# Altium PCB interface.PcbDoc
Units mm, origin at the board's own origin, x right, y up, seen from the top; angles counter-clockwise.
Board outline 52.5 x 82.5 mm, 4 copper layers (Top Layer, Top Layer pwr, Bottom Layer gnd, Bottom Layer), stack 1.483 mm thick; 110 components, 85 nets, 371 pads, 51 vias.
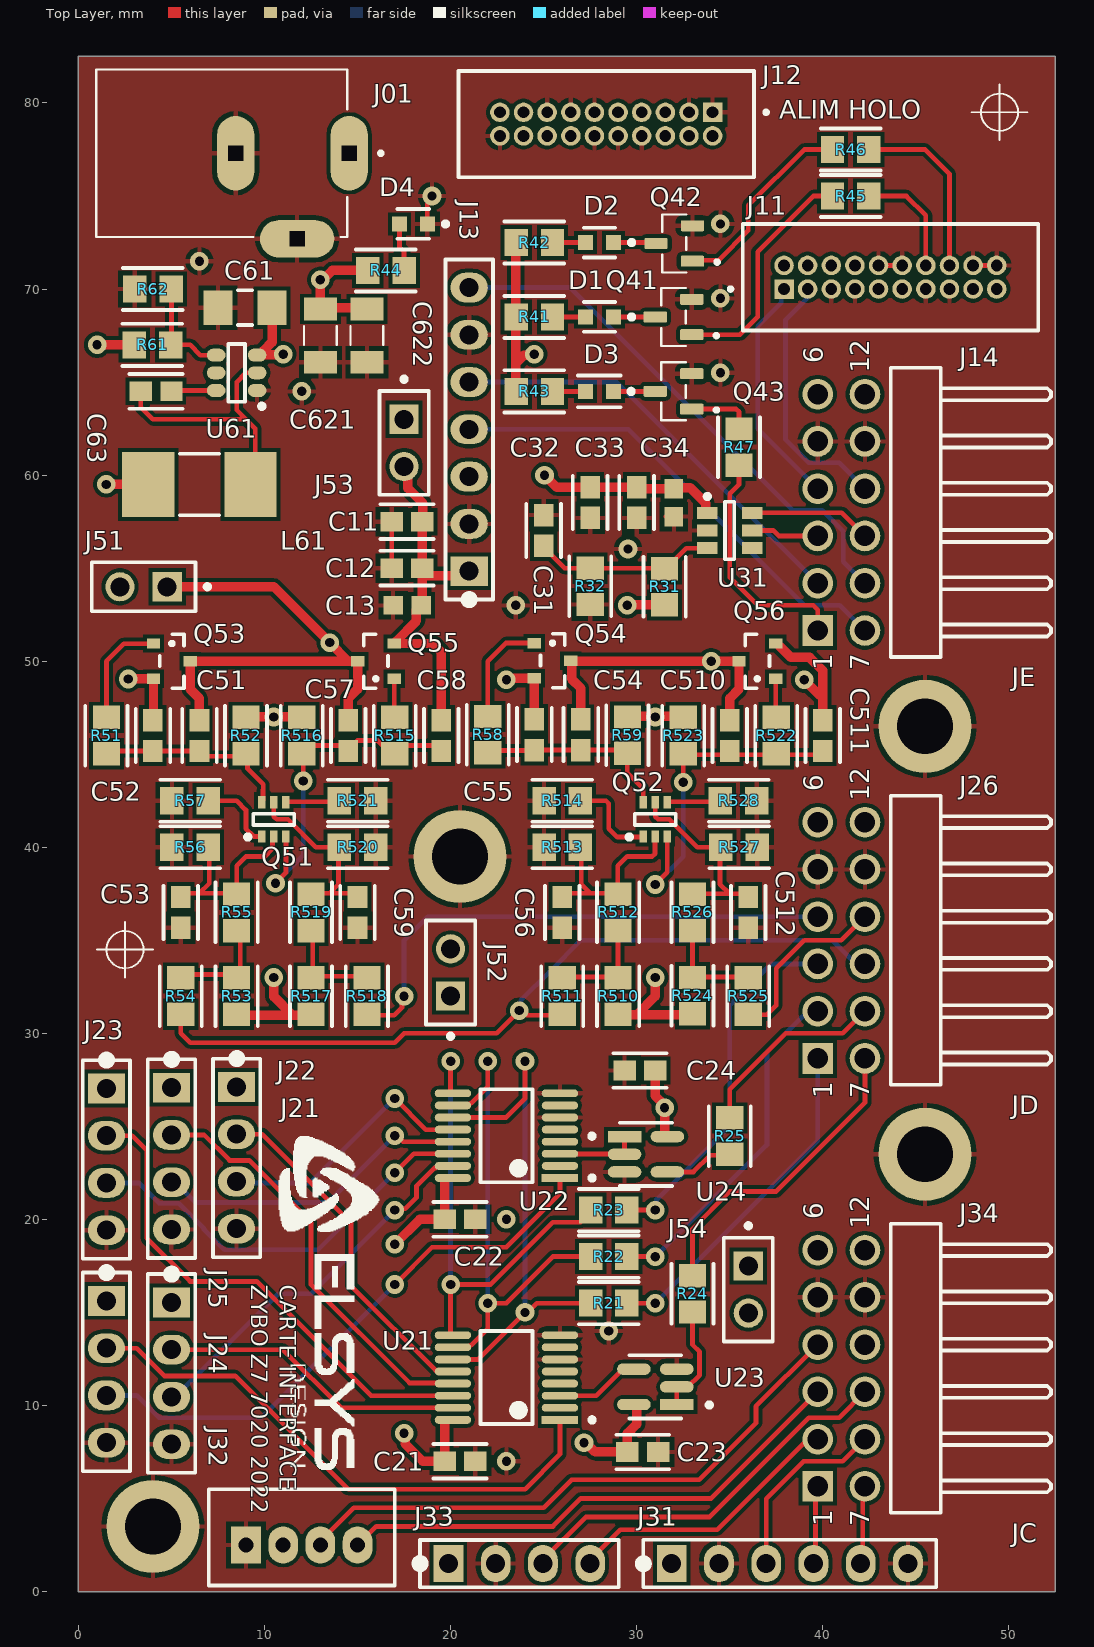
[diagram p0: Top Layer view]
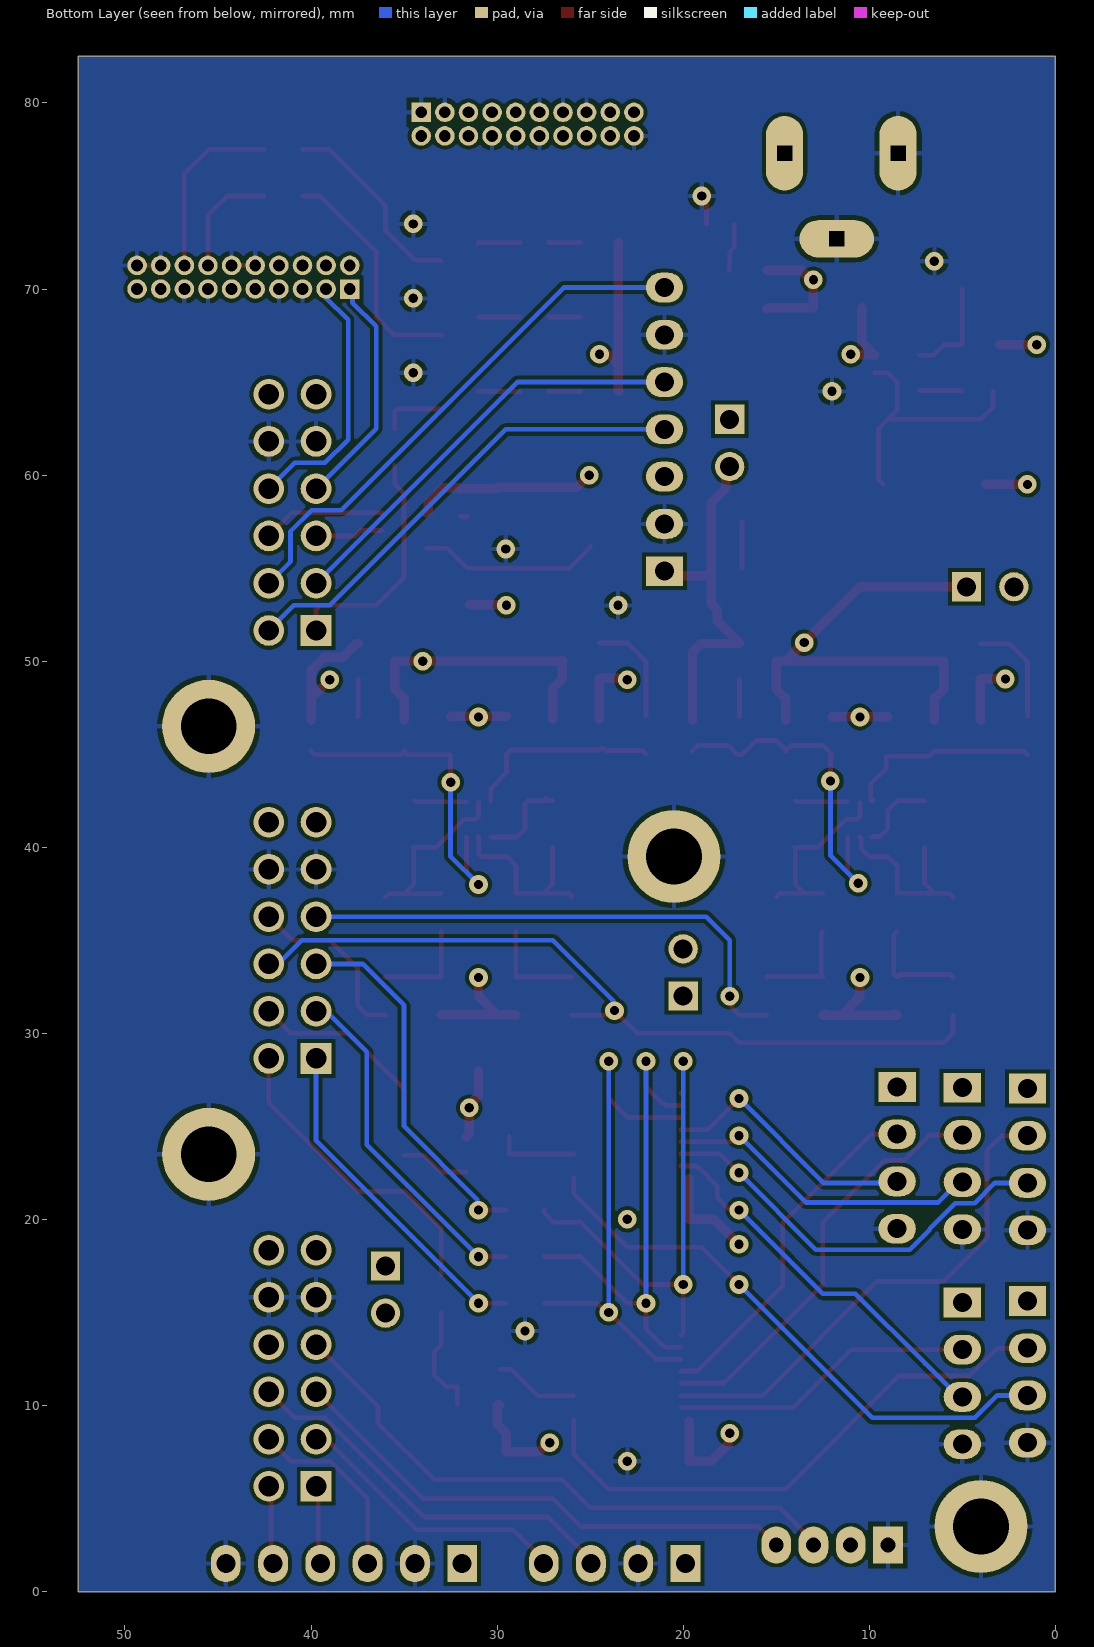
[diagram p1: Bottom Layer view, seen from below]
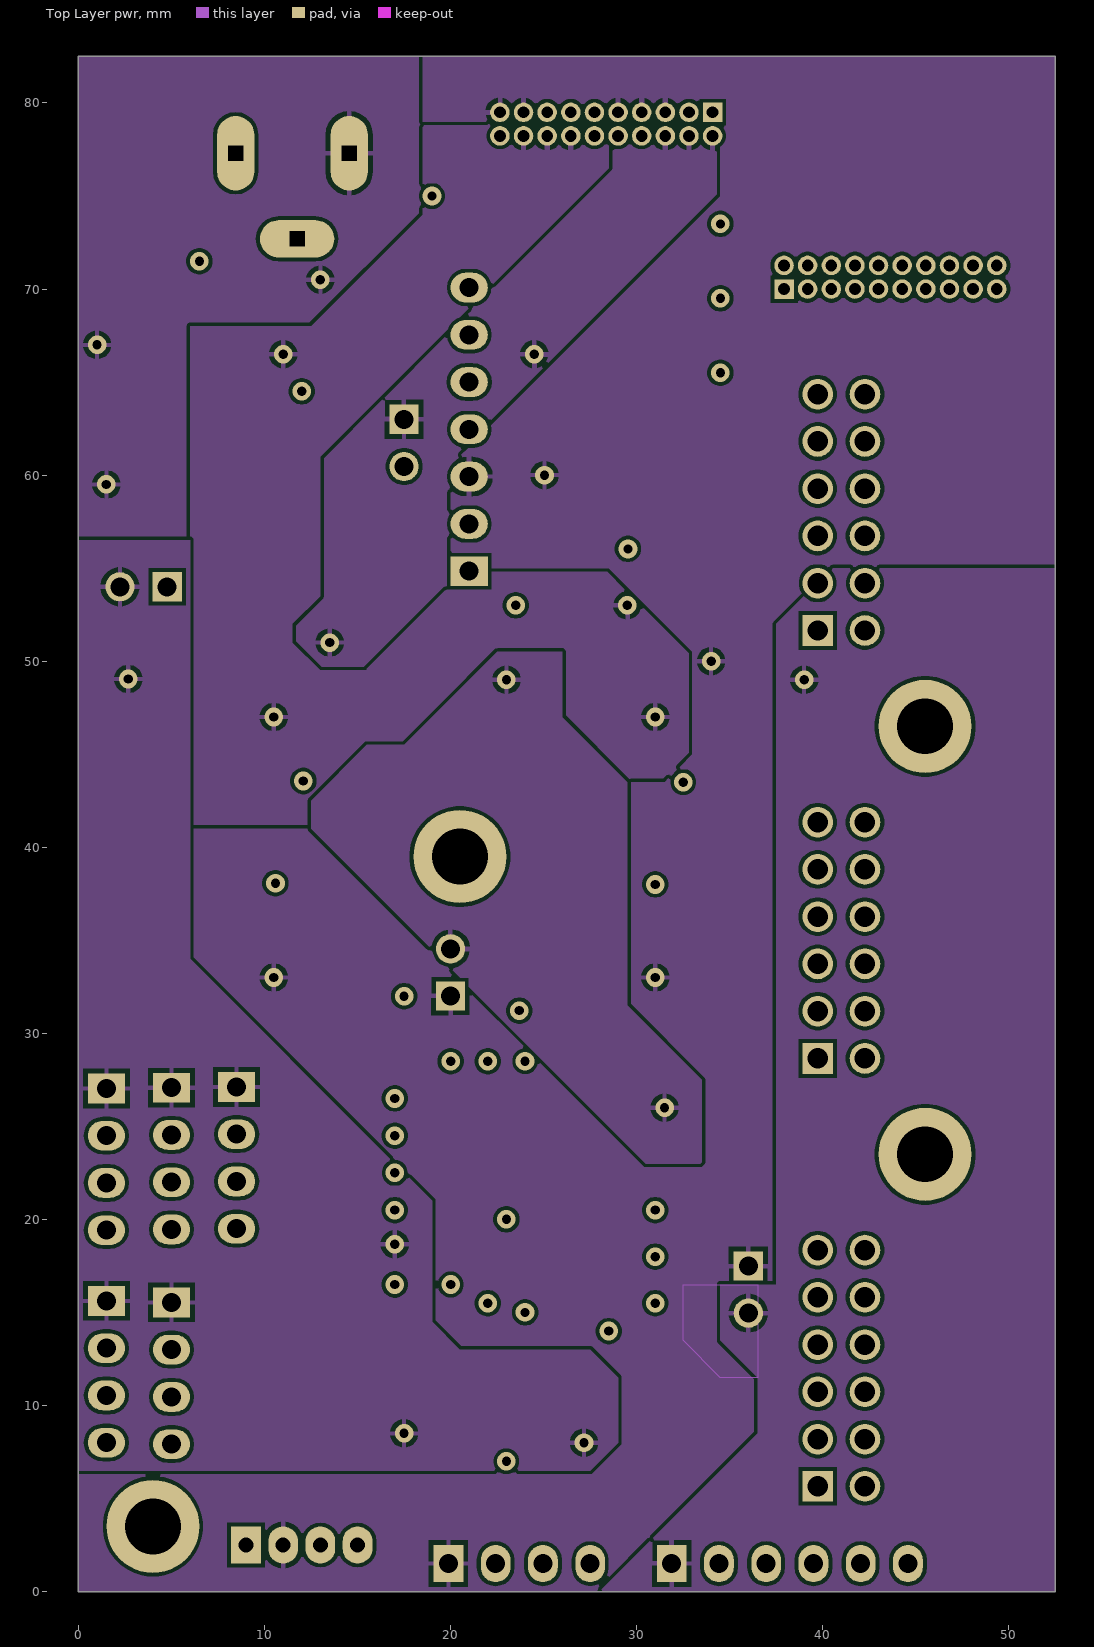
[diagram p2: Top Layer pwr]
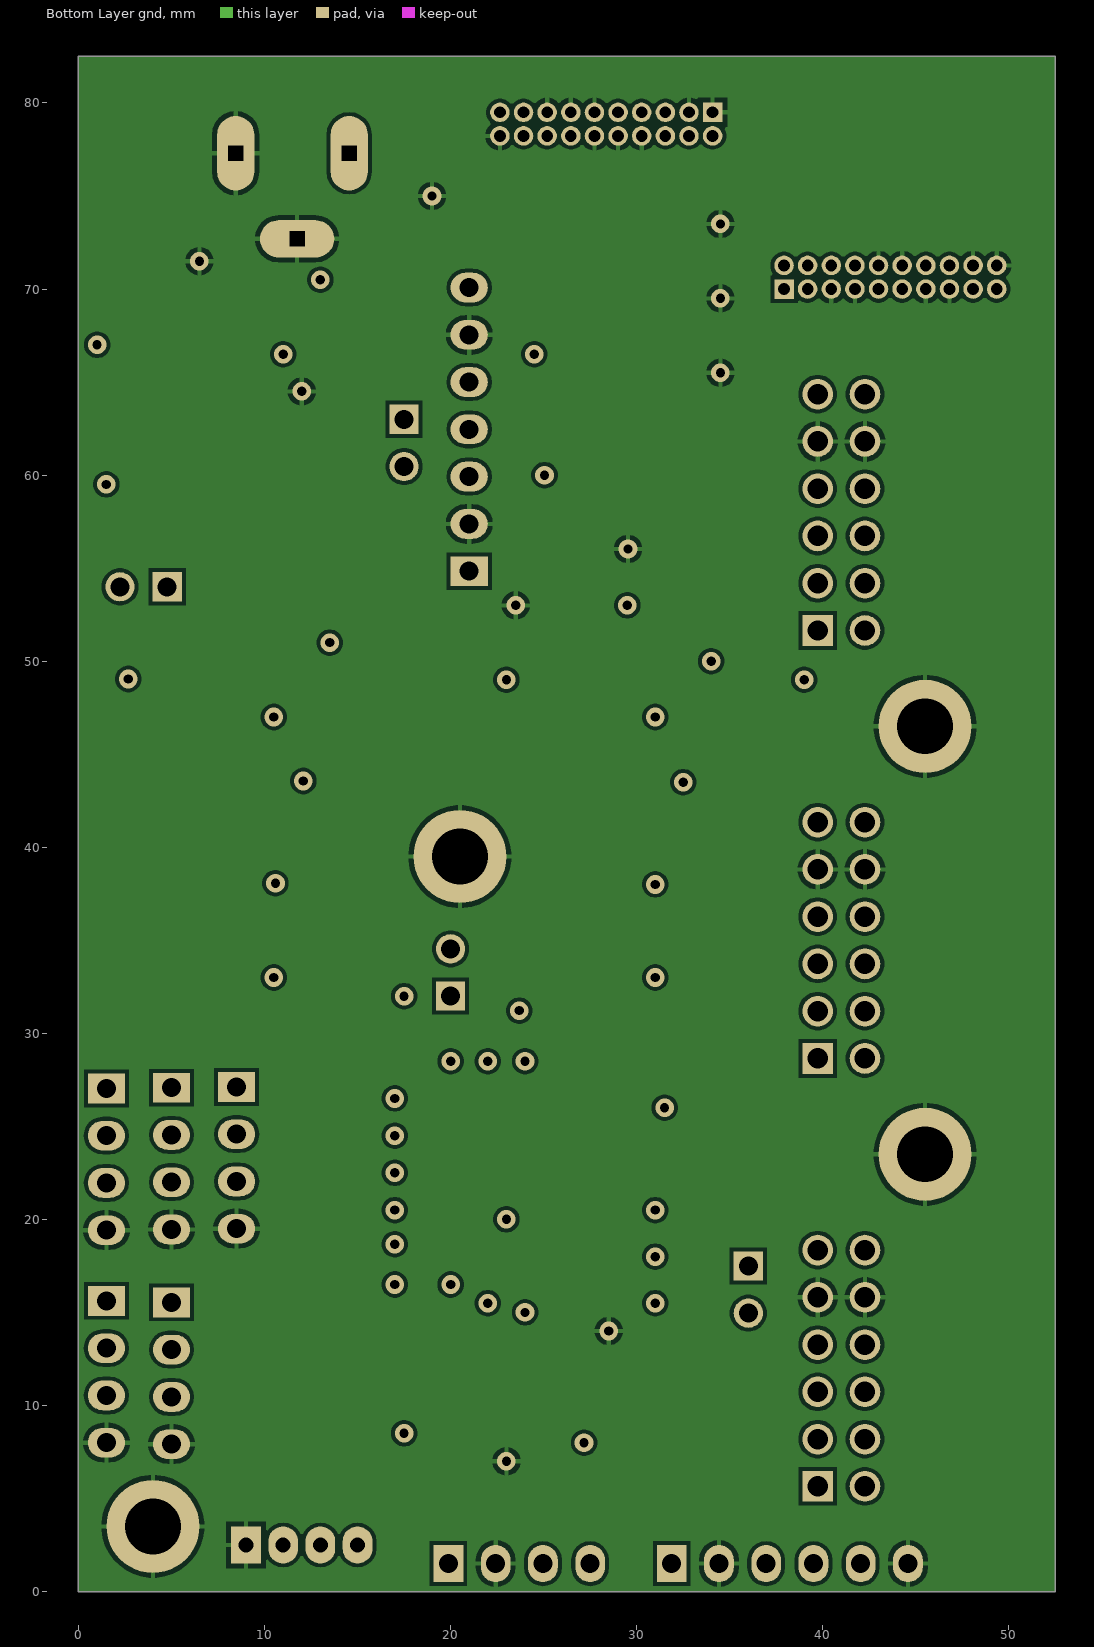
[diagram p3: Bottom Layer gnd]
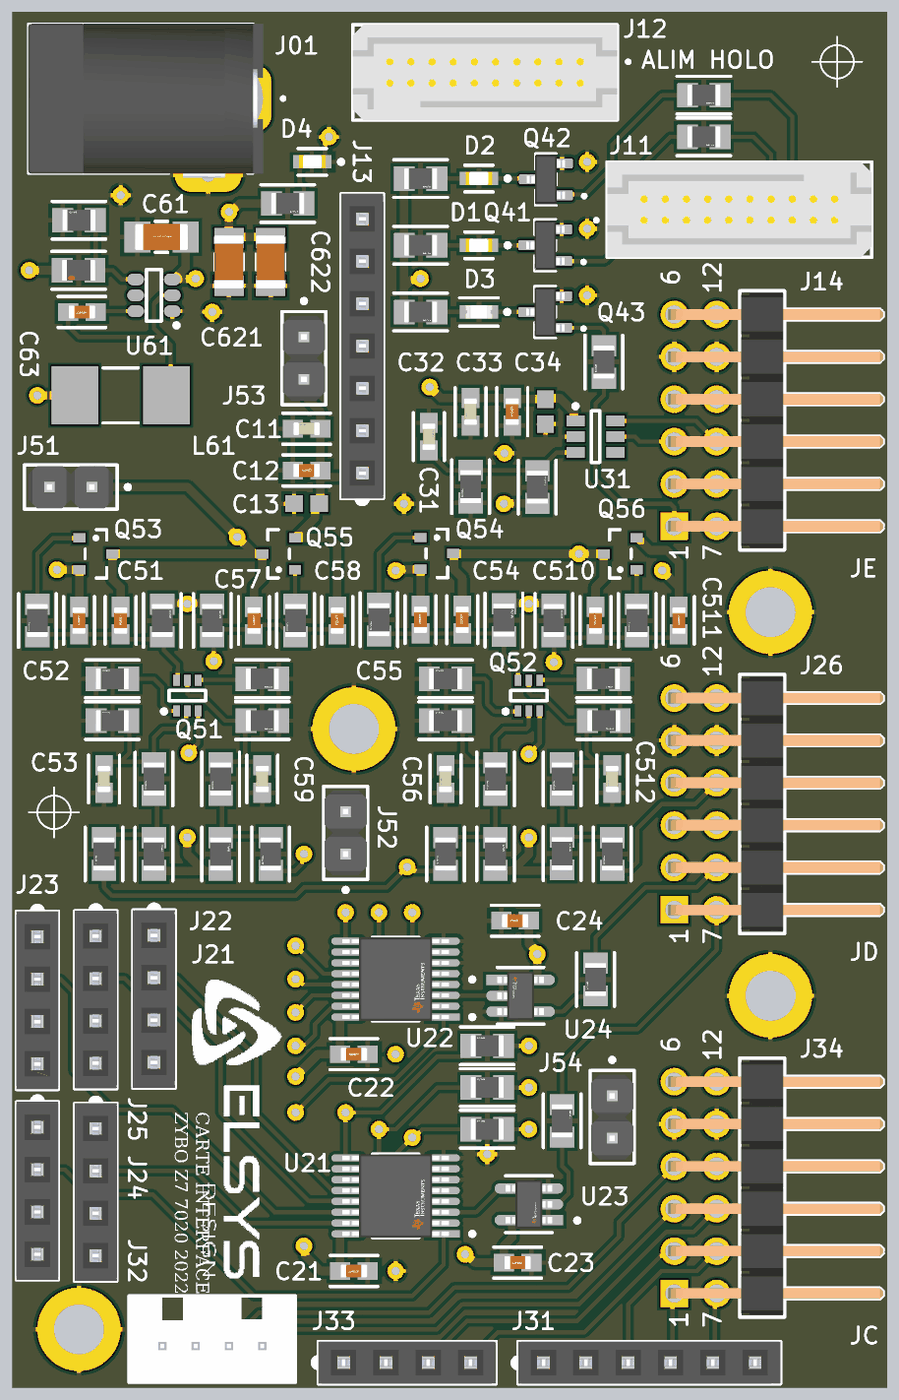
[diagram p4: 3D render of the assembled board from above, using the file's embedded part models]

## Layer stack, top to bottom
Top Solder: solder mask 0.0102, Solder Resist, Dk 3.5
Top Layer: signal copper 0.035
Dielectric 2: prepreg 0.0711, PP-006, Dk 4.29
Top Layer pwr: signal copper 0.0356
Dielectric 1: dielectric 1.2, FR-4, Dk 4.8
Bottom Layer gnd: signal copper 0.0356
Dielectric 3: prepreg 0.0711, PP-006, Dk 4.29
Bottom Layer: signal copper 0.035
Bottom Solder: solder mask 0.0102, Solder Resist, Dk 3.5

## Board outline
0,0 0,82.5 52.5,82.5 52.5,0

## Design rules (kind name [scope] priority, off if disabled: settings)
Clearance [All] p1: gap=0.2 ignorepadtopadclearanceinfootprint=FALSE
HoleSize [All] p1: absolutevalues=TRUE maxlimit=3 minlimit=0.025 maxpercent=80.000 minpercent=20.000
MinimumSolderMaskSliver [All] p1: minsoldermaskwidth=0.008
PolygonConnect [All] p1: connectstyle=Relief reliefconductorwidth=0.254 reliefentries=4 polygonreliefangle="90 Angle" airgapwidth=0.254
RoutingVias [All] p1: holewidth=0.5 width=1 viastyle="Through Hole" minholewidth=0.5 minwidth=1 maxholewidth=0.9 maxwidth=1.25
SilkToSolderMaskClearance [IsPad] p1: minsilkscreentomaskgap=0.008 clearancetoexposedcopper=TRUE
SolderMaskExpansion [All] p1: expansion=0.102 istentingtop=FALSE
Width [All] p1: maxlimit=0.508 minlimit=0.254 preferedwidth=0.254
27 further rules are at their usual default settings.

## Components (designator, comment, footprint, x,y, rotation, side; value= is the part's Value field where it differs from the comment)
C11 "10nF" FP-C0603C-CF-IPC_A 17.66,57.5 r0 top
C12 "100nF" FP-C0603C104K5RAC3121-IPC_A#1 17.66,55 r0 top
C13 "1µF" CAPC1608X90X35NL15T15 17.66,53 r0 top
C21 "100nF" FP-C0603C104K5RAC3121-IPC_A#1 20.5,7 r180 top
C22 "100nF" FP-C0603C104K5RAC3121-IPC_A#1 20.5,20 r180 top
C23 "100nF" FP-C0603C104K5RAC3121-IPC_A#2 31.152,7.5 r180 top
C24 "100nF" FP-C0603C104K5RAC3121-IPC_A#2 29.348,28 r0 top
C31 "C0603C124K5RACTU" FP-C0603C-CF-IPC_A 25,57.025 r270 top
C32 "10nF" FP-C0603C-CF-IPC_A 27.5,58.525 r90 top
C33 "100nF" FP-C0603C104K5RAC3121-IPC_A#1 30,58.525 r90 top
C34 "1µF" CAPC1608X90X35NL15T15 32,58.525 r90 top
C51 "100nF" FP-C0603C104K5RAC3121-IPC_A#1 6.5,46 r90 top
C52 "100nF" FP-C0603C104K5RAC3121-IPC_A#1 4,46 r90 top
C53 "10nF" FP-C0603C-CF-IPC_A 5.5,36.5 r90 top
C54 "100nF" FP-C0603C104K5RAC3121-IPC_A#1 27,46.05 r90 top
C55 "100nF" FP-C0603C104K5RAC3121-IPC_A#1 24.5,46.05 r90 top
C56 "10nF" FP-C0603C-CF-IPC_A 26,36.5 r90 top
C57 "100nF" FP-C0603C104K5RAC3121-IPC_A#1 14.5,46 r90 top
C58 "100nF" FP-C0603C104K5RAC3121-IPC_A#1 19.5,46 r90 top
C59 "10nF" FP-C0603C-CF-IPC_A 15,36.5 r90 top
C61 "10µF" FP-1206-L_3_2_0_15-W_1_6-IPC_A 7.5,69 r0 top
C63 "100nF" FP-C0603C104K5RAC3121-IPC_A#1 4.174,64.5 r180 top
C510 "100nF" FP-C0603C104K5RAC3121-IPC_A#1 35,46 r90 top
C511 "100nF" FP-C0603C104K5RAC3121-IPC_A#1 40,46 r90 top
C512 "10nF" FP-C0603C-CF-IPC_A 36,36.5 r90 top
C621 "22µF" CAPC3216X180N 13,67.5 r90 top
C622 "22µF" CAPC3216X180N 15.5,67.5 r90 top
D1 "LTST-C193TGKT-5A" FP-LTST-C193TGKT-5A 28,68.5 r180 top
D2 "LTST-C193TBKT-5A" FP-LTST-C193TBKT-5A-MFG 28,72.5 r180 top
D3 "LTST-C191KRKT" FP-LTST-C191KRKT 28,64.5 r180 top
D4 "LTST-C193TGKT-5A" FP-LTST-C193TGKT-5A 18,73.5 r180 top
J01 "CON-SOCJ-2155" GRAVITECH_CON-SOCJ-2155 11.5,75 r0 top
J11 "TFM-110-21-S-D" SAMTEC_TFM-110-21-S-D 43.635,70.635 r0 top
J12 "TFM-110-21-S-D" SAMTEC_TFM-110-21-S-D 28.365,78.865 r180 top
J13 "1x7 Header" "HEADER 1X7" 21,54.84 r180 top
J14 "61301221021" 61301221021 45,58 r90 top
J21 "1x4 Header" "HEADER 1X4" 8.5,27.12 r0 top
J22 "1x4 Header" "HEADER 1X4" 5,27.08 r0 top
J23 "1x4 Header" "HEADER 1X4" 1.5,27.04 r0 top
J24 "1x4 Header" "HEADER 1X4" 5,15.54 r0 top
J25 "1x4 Header" "HEADER 1X4" 1.5,15.62 r0 top
J26 "61301221021" 61301221021 45,35 r90 top
J31 "1x6 Header" "HEADER 1X6" 38.23,1.5 r90 top
J32 "1x4 Grove conector" FP-110990030 9,2.5 r90 top
J33 "1x4 Header" "HEADER 1X4" 19.88,1.5 r90 top
J34 "61301221021" 61301221021 45,12 r90 top
J51 "M20-9990246" FP-M20-9990246-MFG 3.5,54 r180 top
J52 "M20-9990246" FP-M20-9990246-MFG 20,33.27 r90 top
J53 "M20-9990246" FP-M20-9990246-MFG 17.5,61.73 r270 top
J54 "M20-9990246" FP-M20-9990246-MFG 36,16.23 r270 top
L61 "3.3µH" INDC7066X20N 6.5,59.5 r180 top
Q41 "NXV55UNR" SOT95P230X110-3N 32.96,67.55 r180 top
Q42 "NXV55UNR" SOT95P230X110-3N 33,71.5 r180 top
Q43 "NXV55UNR" SOT95P230X110-3N 32.96,63.55 r180 top
Q51 "MBT3904DW1T1G" ONSC-SOT-363-6-419B-02_W_V 10.5,41.5 r90 top
Q52 "MBT3904DW1T1G" ONSC-SOT-363-6-419B-02_W_V 31,41.5 r90 top
Q53 "SI2304BDST1E3" FP-SI2304BDST1E3 4.032,50.95 r0 top
Q54 "SI2304BDST1E3" FP-SI2304BDST1E3 24.493,50.975 r0 top
Q55 "SI2304BDST1E3" FP-SI2304BDST1E3 16.968,49.05 r180 top
Q56 "SI2304BDST1E3" FP-SI2304BDST1E3 37.468,49.05 r180 top
R21 "100Ohm" FP-ESR10-IPC_A 28.5,15.5 r0 top
R22 "100Ohm" FP-ESR10-IPC_A 28.5,18 r0 top
R23 "100Ohm" FP-ESR10-IPC_A 28.5,20.5 r0 top
R24 "100Ohm" FP-ESR10-IPC_A 33,16 r270 top
R25 "100Ohm" FP-ESR10-IPC_A 35,24.475 r90 top
R31 "82kOhm" FP-ESR10-IPC_A 31.5,54 r270 top
R32 "20kOhm" FP-ESR10-IPC_A 27.5,54.025 r90 top
R41 "390Ohm" FP-ESR10-IPC_A 24.5,68.5 r180 top
R42 "390Ohm" FP-ESR10-IPC_A 24.5,72.5 r180 top
R43 "620Ohm" FP-ESR10-IPC_A 24.5,64.5 r180 top
R44 "390Ohm" FP-ESR10-IPC_A 16.525,71 r180 top
R45 "100Ohm" FP-ESR10-IPC_A 41.5,75 r180 top
R46 "100Ohm" FP-ESR10-IPC_A 41.5,77.5 r180 top
R47 "100Ohm" FP-ESR10-IPC_A 35.5,61.5 r90 top
R51 "1kOhm" FP-ESR10-IPC_A 1.5,46 r90 top
R52 "10kOhm" FP-ESR10-IPC_A 9,46 r270 top
R53 "100kOhm" FP-ESR10-IPC_A 8.5,32 r270 top
R54 "100Ohm" FP-ESR10-IPC_A 5.5,32 r90 top
R55 "1kOhm" FP-ESR10-IPC_A 8.5,36.5 r90 top
R56 "1kOhm" FP-ESR10-IPC_A 6,40 r0 top
R57 "820Ohm" FP-ESR10-IPC_A 6,42.5 r0 top
R58 "1kOhm" FP-ESR10-IPC_A 22,46.05 r90 top
R59 "10kOhm" FP-ESR10-IPC_A 29.5,46.025 r270 top
R61 "52.3kOhm" FP-KTR10-IPC_A 4.954,67 r180 top
R62 "10kOhm" FP-ESR10-IPC_A 4,70 r0 top
R510 "100kOhm" FP-ESR10-IPC_A 29,32 r270 top
R511 "100Ohm" FP-ESR10-IPC_A 26,32 r90 top
R512 "1kOhm" FP-ESR10-IPC_A 29,36.5 r90 top
R513 "1kOhm" FP-ESR10-IPC_A 26,40 r0 top
R514 "820Ohm" FP-ESR10-IPC_A 26,42.5 r0 top
R515 "1kOhm" FP-ESR10-IPC_A 17,46 r90 top
R516 "10kOhm" FP-ESR10-IPC_A 12,46 r270 top
R517 "100kOhm" FP-ESR10-IPC_A 12.5,32 r270 top
R518 "100Ohm" FP-ESR10-IPC_A 15.5,32 r90 top
R519 "1kOhm" FP-ESR10-IPC_A 12.5,36.5 r90 top
R520 "1kOhm" FP-ESR10-IPC_A 15,40 r180 top
R521 "820Ohm" FP-ESR10-IPC_A 15,42.5 r180 top
R522 "1kOhm" FP-ESR10-IPC_A 37.5,46 r90 top
R523 "10kOhm" FP-ESR10-IPC_A 32.5,46 r270 top
R524 "100kOhm" FP-ESR10-IPC_A 33,32.025 r270 top
R525 "100Ohm" FP-ESR10-IPC_A 36,32 r90 top
R526 "1kOhm" FP-ESR10-IPC_A 33,36.5 r90 top
R527 "1kOhm" FP-ESR10-IPC_A 35.5,40 r180 top
R528 "820Ohm" FP-ESR10-IPC_A 35.475,42.5 r180 top
U21 "TMUX1308PWR" FP-PW0016A-IPC_A 23,11.5 r180 top
U22 "TMUX1308PWR" FP-PW0016A-IPC_A 23,24.5 r180 top
U23 "SN74LV1T02DBVRG4" FP-DBV0005A-IPC_A 31,11 r180 top
U24 "SN74LV1T02DBVRG4" FP-DBV0005A-IPC_A 30.5,23.5 r0 top
U31 "ADC101C027CIMK/NOPB" MK06A_N 35,57.025 r0 top
U61 "AP62301WU-7" TSOP95P280X100-6N 8.5,65.5 r180 top

## Footprints (in the part's own frame and the unit in brackets; to place one, negate y for a bottom-side part, rotate by r counter-clockwise, add the part's x,y. Pads: shape width x height; smd on the part's side, far side on the other; paste and mask are expansions set on the pad)
61301221021 [mm] "Pin Header, pitch 2.54 mm, THT, Angled, dual row, 12p"
  rect 1.65x1.65 hole 1.1: 1(-6.35,5.27)
  round 1.65 hole 1.1: 2(-3.81,5.27) 3(-1.27,5.27) 4(1.27,5.27) 5(3.81,5.27) 6(6.35,5.27) 7(-6.35,2.73) 8(-3.81,2.73) 9(-1.27,2.73) 10(1.27,2.73) 11(3.81,2.73) 12(6.35,2.73)
  silkscreen extent -7.77,-7.27 7.77,1.35, body extent -7.62,-7.27 7.62,5.63, height 5.12
CAPC1608X90X35NL15T15 [mm] "Chip Capacitor, 2-Leads, Body 1.60x0.81mm, IPC Medium Density"
  rect 1.05x1 smd: 1(-0.75,0) 2(0.75,0)
  body extent -0.88,-0.48 0.87,0.48, height 0.9
CAPC3216X180N [mm]
  rect 1.21x1.77 smd: 1(-1.428,0) 2(1.428,0)
  silkscreen extent -0.5,-0.88 0.5,0.88, body extent -1.6,-0.9 1.6,0.9, height 1.61
FP-1206-L_3_2_0_15-W_1_6-IPC_A [mm]
  rect 1.555x1.858 smd paste+0 mask+0: 1(0,0) 2(2.903,0)
  silkscreen extent 1.08,-0.93 1.82,0.93, body extent -1.28,-1.43 4.18,1.43, height 0.25
FP-110990030 [mm]
  rect 2x1.6 hole 0.8: 1(0,0)
  oval 2x1.6 hole 0.8: 2(0,-2) 3(0,-4) 4(0,-6)
  silkscreen extent -2.17,-8 3,2, body extent -2.15,-8 2.95,2, height 8.11
FP-C0603C104K5RAC3121-IPC_A#1 [mil]
  rect 47.5x41.66 smd paste+0 mask+0: 1(-32.51,0) 2(32.51,0)
  silkscreen extent -56,-37 56,37, body extent -76,-41 76,41, height 10
FP-C0603C104K5RAC3121-IPC_A#2 [mil]
  rect 47.5x41.66 smd paste+0 mask+0: 1(0,0) 2(65.03,0)
  silkscreen extent -24,-37 89,37, body extent -43,-41 108,41, height 10
FP-C0603C-CF-IPC_A [mil]
  rect 47.5x41.66 smd paste+0 mask+0: 1(-32.51,0) 2(32.51,0)
  silkscreen extent -56,-37 56,37, body extent -76,-41 76,41, height 10
FP-DBV0005A-IPC_A [mm]
  rect 1.805x0.612 smd paste+0 mask+0: 1(-1.15,0.95)
  rrect100% 1.805x0.612 smd paste+0 mask+0: 2(-1.15,0) 3(-1.15,-0.95) 4(1.15,-0.95) 5(1.15,0.95)
  silkscreen extent -3.03,-1.7 1.4,1.7, body extent -2.55,-1.95 2.55,1.95, height 0.25
FP-ESR10-IPC_A [mm]
  rect 1.258x1.462 smd paste+0 mask+0: 1(-0.977,0) 2(0.977,0)
  silkscreen extent -1.61,-1.13 1.61,1.13, body extent -2.11,-1.23 2.11,1.23, height 0.25
FP-KTR10-IPC_A [mm]
  rect 1.258x1.462 smd paste+0 mask+0: 1(0,0) 2(1.954,0)
  silkscreen extent -0.63,-1.13 2.58,1.13, body extent -1.13,-1.23 3.08,1.23, height 0.25
FP-LTST-C191KRKT [mm]
  rect 0.8x0.8 smd paste+0 mask+0: 1(-0.75,0) 2(0.75,0)
  silkscreen extent -1.83,-0.85 1.15,0.85, body extent -0.8,-0.4 0.8,0.4, height 0.81
FP-LTST-C193TBKT-5A-MFG [mm]
  rect 0.8x0.8 smd paste+0 mask+0: 1(-0.75,0) 2(0.75,0)
  silkscreen extent -1.85,-0.8 0.85,0.8, body extent -1.25,-0.55 1.25,0.55, height 0.25
FP-LTST-C193TGKT-5A [mm]
  rect 0.8x0.8 smd paste+0 mask+0: 1(-0.75,0) 2(0.75,0)
  silkscreen extent -1.85,-0.8 0.85,0.8, body extent -1.25,-0.55 1.25,0.55, height 0.25
FP-M20-9990246-MFG [mm]
  rect 1.57x1.57 hole 1.02 paste-1000 mask+0: 1(-1.27,0)
  round 1.57 hole 1.02 paste-1000 mask+0: 2(1.27,0)
  silkscreen extent -3.55,-1.32 2.79,1.32, body extent -2.89,-1.42 2.89,1.42, height 0.25
FP-PW0016A-IPC_A [mm]
  rect 1.955x0.421 smd paste+0 mask+0: 1(-2.875,2.275)
  rrect100% 1.955x0.421 smd paste+0 mask+0: 2(-2.875,1.625) 3(-2.875,0.975) 4(-2.875,0.325) 5(-2.875,-0.325) 6(-2.875,-0.975) 7(-2.875,-1.625) 8(-2.875,-2.275) 9(2.875,-2.275) 10(2.875,-1.625) 11(2.875,-0.975) 12(2.875,-0.325) 13(2.875,0.325) 14(2.875,0.975) 15(2.875,1.625) 16(2.875,2.275)
  silkscreen extent -4.73,-2.5 1.4,2.5, body extent -4.35,-3 4.35,3, height 0.25
FP-SI2304BDST1E3 [mm]
  rect 0.724x0.559 smd: 1(0,0) 2(0,-1.9) 3(1.968,-0.95)
  silkscreen extent 0.33,-2.4 1.63,0.5
GRAVITECH_CON-SOCJ-2155 [mm]
  oval 2x4 hole 0.8 square: 1(3.05,2.3) 3(-3.05,2.3)
  oval 4x2 hole 0.8 square: 2(0.25,-2.3)
  silkscreen extent -10.55,-2.2 4.85,6.8, body extent -10.55,-2.45 3.55,6.8, height 11.1
"HEADER 1X4" [mm]
  rect 2x1.6 hole 1.02: 1(0,0)
  oval 2x1.6 hole 1.02: 2(0,-2.54) 3(0,-5.08) 4(0,-7.62)
  silkscreen extent -1.27,-9.15 1.27,1.72, body extent -1.27,-9.14 1.27,1.52, height 8.52
"HEADER 1X6" [mm]
  rect 2x1.6 hole 1.02: 1(0,6.35)
  oval 2x1.6 hole 1.02: 2(0,3.81) 3(0,1.27) 4(0,-1.27) 5(0,-3.81) 6(0,-6.35)
  silkscreen extent -1.28,-7.88 1.28,8.08, body extent -1.27,-7.87 1.27,7.87, height 8.52
"HEADER 1X7" [mm]
  rect 2x1.6 hole 1.02: 1(0,0)
  oval 2x1.6 hole 1.02: 2(0,-2.54) 3(0,-5.08) 4(0,-7.62) 5(0,-10.16) 6(0,-12.7) 7(0,-15.24)
  silkscreen extent -1.28,-16.75 1.28,1.73, body extent -1.27,-16.76 1.27,1.52, height 8.52
INDC7066X20N [mm] "Chip Inductor, 2-Leads, Body 7,00x6,60mm, IPC Medium Density"
  rect 2.8x3.5 smd: 1(-2.75,0) 2(2.75,0)
  silkscreen extent -1.05,-1.65 1.05,1.65, body extent -3.65,-3.45 3.65,3.45, height 2
MK06A_N [mm] "SOT23, 6-Leads, Body 3.0x1.7mm, Pitch 0.95mm, Lead Span 2.9mm, IPC Medium Density"
  rect 1.1x0.65 smd: 1(-1.2,0.95) 2(-1.2,0) 3(-1.2,-0.95) 4(1.2,-0.95) 5(1.2,0) 6(1.2,0.95)
  silkscreen extent -1.32,-1.55 0.25,1.95, body extent -0.87,-1.53 0.87,1.54, height 1
ONSC-SOT-363-6-419B-02_W_V [mm] "SOT23, 6-Leads, Body 2x1.25mm, Pitch 0.65mm"
  rect 0.66x0.4 smd: 1(-0.92,0.65) 2(-0.92,0) 3(-0.92,-0.65) 4(0.92,-0.65) 5(0.92,0) 6(0.92,0.65)
  silkscreen extent -1.07,-1.1 0.3,1.52, body extent -0.63,-1 0.63,1, height 1.1
SAMTEC_TFM-110-21-S-D [mm]
  rect 1.05x1.05 hole 0.635: 1(-5.715,-0.635)
  round 1.05 hole 0.635: 2(-5.715,0.635) 3(-4.445,-0.635) 4(-4.445,0.635) 5(-3.175,-0.635) 6(-3.175,0.635) 7(-1.905,-0.635) 8(-1.905,0.635) 9(-0.635,-0.635) 10(-0.635,0.635) 11(0.635,-0.635) 12(0.635,0.635) 13(1.905,-0.635) 14(1.905,0.635) 15(3.175,-0.635) 16(3.175,0.635) 17(4.445,-0.635) 18(4.445,0.635) 19(5.715,-0.635) 20(5.715,0.635)